# Altium PCB T4F81.PcbDoc (part 2 of 2)
Units mil, origin at the board's own origin, x right, y up, seen from the top; angles counter-clockwise.
Board outline 1574.8 x 2047.24 mil, 4 copper layers (Top Layer, GND, PWR, Bottom Layer), stack 39.337 mil thick; 73 components, 105 nets, 375 pads, 167 vias.
Unrouted connection lines stored in the file: 1.
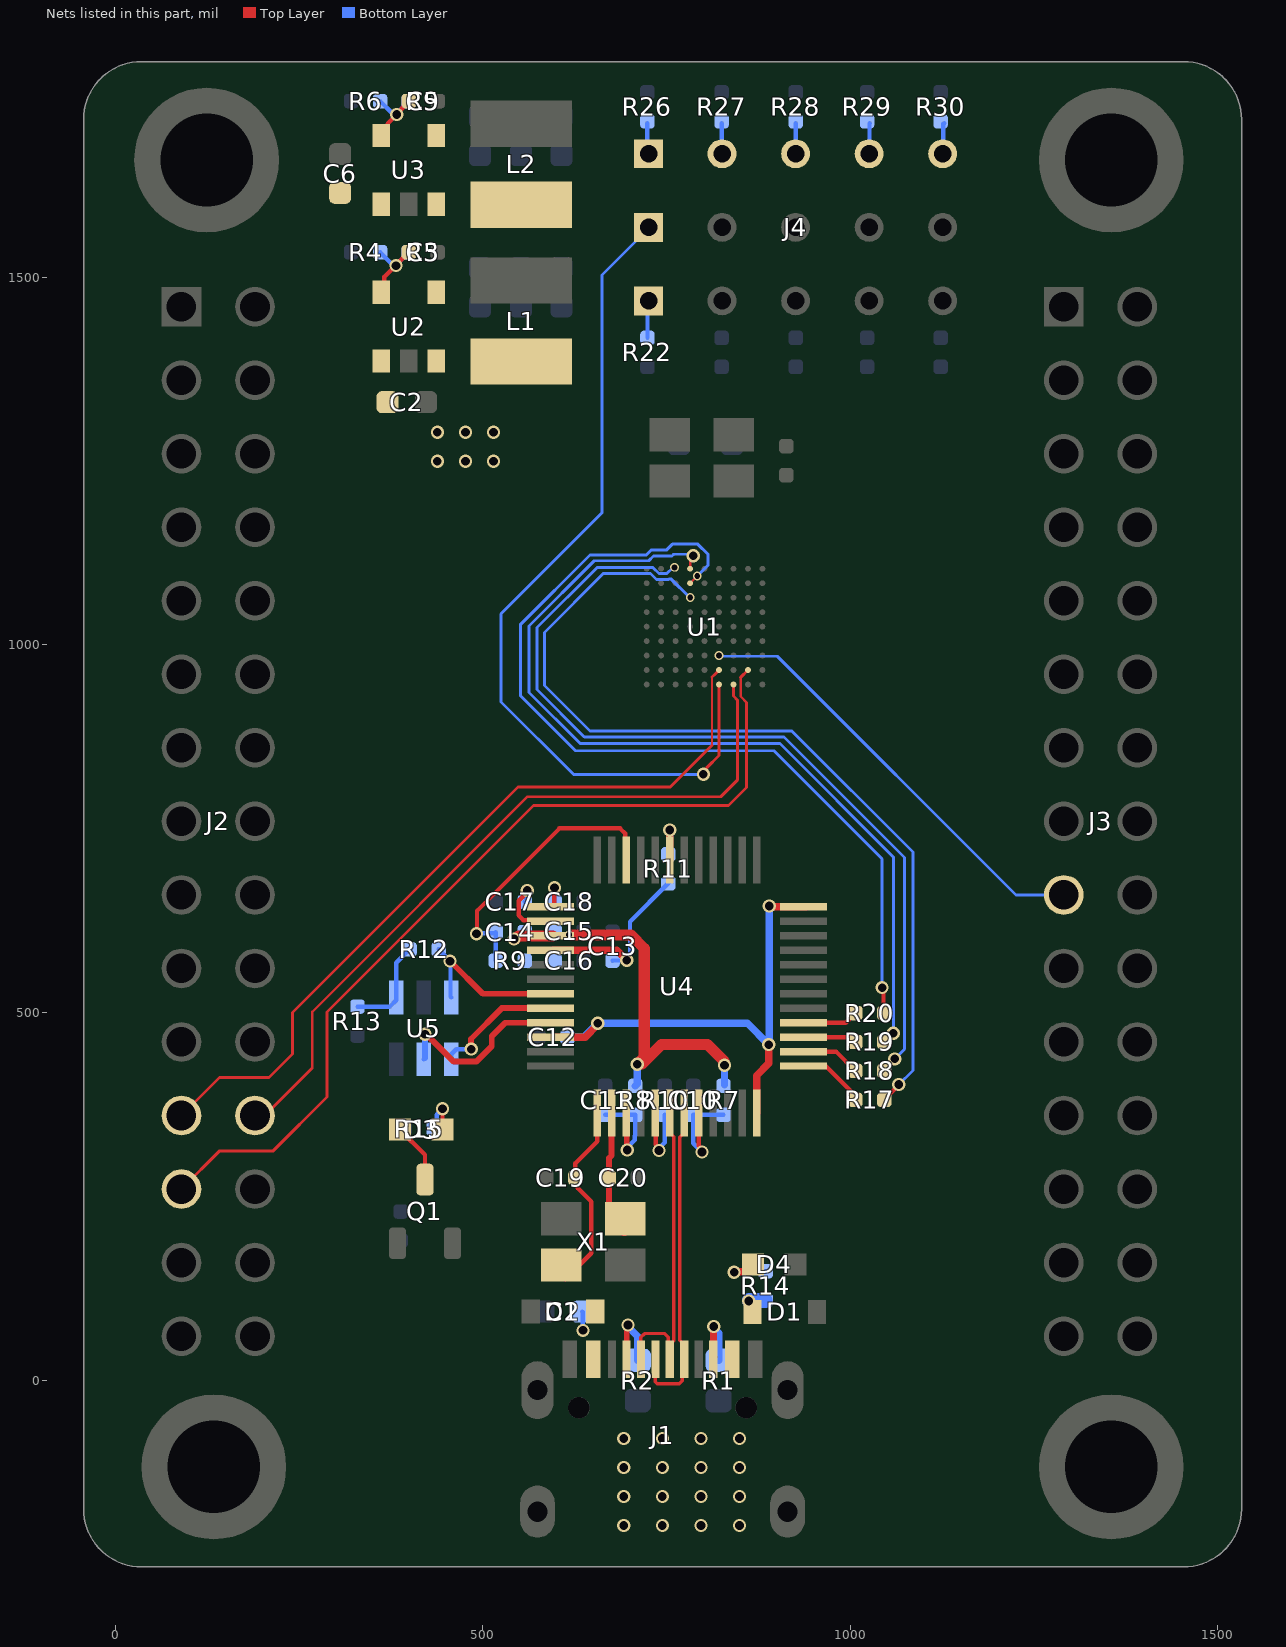
[diagram p4: the nets of this part, all layers, seen from the top]

## Via types
v1: diameter 17.99, hole 11.81, Top Layer to Bottom Layer, tented both sides, 57 vias
v2: diameter 17.99, hole 11.81, Top Layer to Bottom Layer, 54 vias
v3: diameter 11.81, hole 7.87, Top Layer to Bottom Layer, tented both sides, 38 vias
v4: diameter 11.81, hole 7.87, Top Layer to Bottom Layer, 18 vias

## Nets (pads, with @x,y where several pads share a name; then routed paths per layer and width w, separated by ;. In a path a pad name is that pad's centre, name@x,y a point inside that pad or via, vN(x,y) a via of type N, cw(c..) or ccw(c..) an arc to the next point about the centre after c; other vN are vias at no path point) (continued)
GPIOR_32: J2.25 U1.H8 | length 1229.7
  Top Layer w3: 850.87,956.01 850.87,929.88 858.88,921.86
  Top Layer w4: J2.25@90.31,260.03 142.32,312.04 215.15,312.04 288.29,385.18 288.29,500.81 569.09,781.61 834.44,781.61 858.88,806.06 858.88,921.86 ; 850.87,956.01 U1.H8@860.75,965.89
GPIOR_34_CSI: J2.24 U1.J7 | length 1021.7
  Top Layer w3.5: 268.18,500.73 561.05,793.6 823.85,793.6
  Top Layer w4: J2.24@190.31,360.03 203.49,360.03 268.18,424.71 268.18,500.73 ; 823.85,793.6 846.31,816.06 846.31,925.24 841.07,930.48 U1.J7@841.07,946.21
GPIOR_35_CSO: J3.17 U1.G6 | length 603.8
  Bottom Layer w4: v3(821.38,985.58) 822.3,984.66 900.7,984.66 1225.33,660.03 J3.17@1290.31,660.03
GPIOR_36: J2.23 U1.H6 | length 1069.5
  Top Layer w3: 811.75,863.53 811.75,956.26
  Top Layer w4: J2.23@90.31,360.03 142,411.71 209.41,411.71 241.2,443.51 241.2,500.09 548.02,806.9 755.12,806.9 811.75,863.53 ; 811.75,956.26 815.45,959.96 U1.H6@821.38,965.89
GPIOR_37_TEST__N: J4.1 R22.1 | length 51
  Bottom Layer w6: R22.1@724.1,1417.65 724.1,1466.53 J4.1@725.58,1468
GPIOR_37_TEST_N: J4.6 U1.J6 | length 1175.8
  Top Layer w4: v1(800.12,824.29) 800.12,828.08 804.7,832.66 804.7,832.92 821.38,849.6 U1.J6@821.38,946.21
  Bottom Layer w4: J4.6@725.58,1568 707.89,1550.32 707.89,1548.74 662.41,1503.26 662.41,1179.79 524.95,1042.33 524.95,922.44 623.75,823.64 799.46,823.64 v1(800.12,824.29)
NetC5_1: C5.1 R3.2 R4.1 U2.5 | length 122.6
  Top Layer w6: U2.5@361.95,1479.68 366.29,1484.02 366.29,1500.91 C5.1@399.48,1534.1
  Bottom Layer w6: R4.1@360.4,1534.1 376.32,1518.19 382.78,1518.19 383.18,1517.79 R3.2@399.5,1534.1
  other v1: 382.19,1515.89
NetC9_1: C9.1 R5.2 R6.1 U3.5 | length 115.4
  Top Layer w6: U3.5@361.95,1692.83 370.76,1701.64 370.76,1709.05 v1(383.1,1721.4) 383.1,1722.31 399.53,1738.74 C9.1@399.53,1739.65
  Bottom Layer w6: R6.1@360.4,1739.66 376.37,1723.69 381.95,1723.69 382.74,1722.9 R5.2@399.5,1739.66
NetC10_2: C10.2 R7.1 U4.8 | length 151.2
  Top Layer w6: U4.8@793.7,363.44 793.7,318.15 798.18,313.67 v2(798.18,310.42)
  Bottom Layer w6: v2(798.18,310.42) 786.43,322.18 C10.2@786.43,360.85 R7.1@827.49,360.85
NetC11_2: C11.2 R8.1 U4.3 | length 143
  Top Layer w6: v2@695.99,313.85 v2(696.59,313.24) ; U4.3@695.99,360.93 U4.3@697.34,362.29
  Top Layer w8: v2@695.99,313.85 U4.3@695.99,360.93
  Bottom Layer w6: C11.2@666.43,360.85 R8.1@707.49,360.85 707.49,333.45 706.78,332.74 706.78,326.68 696.59,316.49 v2(696.59,313.24)
NetC14_1: C14.1 R9.1 U4.34 | length 384.4
  Top Layer w6: v1@492.23,606.99 492.23,638.32 604.35,750.45 686.81,750.45 693.69,743.57 693.69,709.23 U4.34@695.38,707.54
  Bottom Layer w6: v1@492.23,606.99 493.34,608.1 516.43,608.1 C14.1@517.8,609.48 R9.1@517.8,570.54
  other v1: 491.61,607.32
NetC17_2: C17.2 U4.38 | length 105.4
  Top Layer w6: v1(560.53,666.04) 560.53,663.75 548.94,652.17 548.94,632.16 555.26,625.84 593.77,625.84 U4.38@595.49,624.12
  Bottom Layer w6: C17.2@557.18,650.54 558.85,652.21 558.85,664.36 v1(560.53,666.04)
NetC18_2: C18.2 U4.37 | length 45.9
  Top Layer w6: U4.37@595.49,643.81 595.56,643.81 597.56,645.81 v1(597.56,669.63)
  Bottom Layer w6: v1(597.56,669.63) 597.68,669.51 597.68,650.66 C18.2@597.8,650.54
NetC19_2: C19.2 U4.1 X1.1 | length 262.9
  Top Layer w6: X1.1@611.99,137.06 647.7,172.76 647.7,242.96 629.48,261.18 629.48,268.67 626.72,271.43 626.13,271.43 626.13,295.2 656.01,325.08 U4.1@656.01,363.54
NetC20_2: C20.2 U4.2 X1.3 | length 175.1
  Top Layer w8: U4.2@675.4,363.25 675.4,305.75 671.76,302.11 C20.2@671.76,275.36 671.76,263.55 671.76,219.69 691.4,200.05 X1.3@693.69,200.05
NetD3_A: D3.A R15.1 | length 67.3
  Top Layer w3: D3.A@444.16,341.88 D3.A@445.3,340.74
  Top Layer w6: D3.A@444.16,341.88 445.27,342.98 v2@445.27,372.15
  Bottom Layer w6: R15.1@433.09,342.28 437.48,346.67 437.48,361.12 445.27,368.91 v2@445.27,372.15
  other v2: 445.27,369.15
NetD3_K: D3.K Q1.3 | length 82
  Top Layer w6: D3.K@387.27,340.74 421.52,306.49 Q1.3@421.52,272.89
NetD4_A: D4.A R14.2 | length 73.4
  Top Layer w10: v2(841.89,147.02) 842.51,147.63 857.46,147.63 D4.A@867.46,157.63
  Bottom Layer w6: v2(841.89,147.02) 843.01,148.13 R14.2@884.81,148.15
NetJ1_A5: J1.A5 R2.2 | length 101.7
  Top Layer w6: J1.A5@695.38,28.64 J1.A5@696.45,29.71
  Top Layer w8: J1.A5@695.91,29.17 695.91,73.41 v2(697.52,75.02)
  Bottom Layer w10: v2(697.52,75.02) 697.52,72.86 710.96,59.42 R2.2@710.96,26.92
NetJ1_B5: J1.B5 R1.2 | length 98.9
  Top Layer w6: J1.B5@813.49,28.64 816.01,31.16 J1.B5@814.61,32.55
  Top Layer w10: J1.B5@813.67,28.82 813.82,28.97 813.82,72.67 v2(814.15,73)
  Bottom Layer w10: v2(814.15,73) 814.15,70.84 821.06,63.93 821.06,27.02 R1.2@820.96,26.92
NetJ4_11: J4.11 R26.1 | length 42.2
  Bottom Layer w3: J4.11@723.98,1669.59 J4.11@725.58,1668
  Bottom Layer w6: J4.11@723.98,1669.59 R26.1@723.98,1709.54
NetJ4_12: J4.12 R27.1 | length 41.8
  Bottom Layer w6: R27.1@824.86,1709.54 825.22,1709.18 825.22,1668.36 J4.12@825.58,1668
NetJ4_13: J4.13 R28.1 | length 41.6
  Bottom Layer w6: J4.13@925.58,1668 925.66,1668.08 925.66,1709.46 R28.1@925.74,1709.54
NetJ4_14: J4.14 R29.1 | length 42
  Bottom Layer w6: J4.14@1025.58,1668 1026.09,1668.52 1026.09,1709.02 R29.1@1026.61,1709.54
NetJ4_15: J4.15 R30.1 | length 42.3
  Bottom Layer w6: J4.15@1125.58,1668 1126.53,1668.96 1126.53,1708.58 R30.1@1127.49,1709.54
NetL1_1: L1.1 U2.3
NetL2_1: L2.1 U3.3
NetR10_2: R10.2 U4.5 | length 105
  Top Layer w6: U4.5@734.75,363.54 735.24,363.05 735.24,320.1 739.74,315.6 v2(739.74,312.35)
  Bottom Layer w6: v2(739.74,312.35) 739.74,315.6 747.49,323.35 R10.2@747.49,360.85
NetR12_1: R12.1 R13.2 U5.1 | length 133
  Bottom Layer w6: R13.2@329.71,508.17 373.81,508.17 382.31,516.67 U5.1@382.31,520.48 382.31,567.78 R12.1@400.55,586.01
NetR12_2: R12.2 U4.43 U5.3 | length 230.1
  Top Layer w8: v1@456.25,569.61 500.16,525.7 U4.43@595.49,525.7
  Bottom Layer w6: R12.2@439.92,585.98 456.25,569.65 456.25,521.35 U5.3@457.11,520.48
  other v1: 455.63,569.98
NetU4_44: U4.44 U5.4 | length 179.6
  Top Layer w8: v1(484.33,450.3) 484.12,450.52 484.12,464.21 525.92,506.01 U4.44@595.49,506.01
  Bottom Layer w6: U5.4@457.11,436.48 457.11,443.3 464.11,450.3 v1(484.33,450.3)
NetU4_45: U4.45 U5.5 | length 249.7
  Top Layer w8: v1@421.49,469.76 424.11,469.76 460.57,433.31 491.37,433.31 512.24,454.18 512.24,467.9 530.51,486.17 U4.45@592.13,486.17
  Bottom Layer w6: U5.5@419.71,436.48 U5.5@421.49,438.26
  Bottom Layer w8: U5.5@421.49,438.26 v1@421.49,469.76
  other v1: 421.42,470.65
TCK: R17.2 U4.13 | length 89.7
  Top Layer w6: U4.13@939.49,427.27 966.49,427.27 1001.19,392.57 1001.19,386.94 R17.2@1006.85,381.29
TCK_0: R17.1 U1.C4 | length 1265.9
  Top Layer w3: U1.C4@782.01,1064.32 782.16,1064.32 v3(782.27,1064.43)
  Top Layer w6: R17.1@1046.22,381.29 1046.22,381.92 1065.8,401.5 v1(1065.8,402.14)
  Bottom Layer w4: v3(782.27,1064.43) 781.48,1064.43 756.51,1089.4 753.2,1089.4 752.86,1089.06 736.37,1089.06 728.37,1097.06 663.94,1097.06 583.96,1017.08 583.96,944.76 645.81,882.91 920.39,882.91 1085.08,718.22 1085.08,421.42 v1(1065.8,402.14)
TDI: R18.2 U4.14 | length 78.2
  Top Layer w6: U4.14@939.49,446.96 980.55,446.96 R18.2@1006.85,420.66
TDI_0: R18.1 U1.A3 | length 1208
  Top Layer w6: R18.1@1046.22,420.66 1046.22,421.68 1060.24,435.71 v1@1060.24,436.73
  Bottom Layer w4: v3(760.91,1105.51) 758.79,1105.51 750.35,1097.06 739.68,1097.06 731.68,1105.06 655.39,1105.06 573.91,1023.59 573.91,939.22 638.23,874.91 909.81,874.91 1073.77,710.94 1073.77,450.26 v1@1060.24,436.73
  other v1: 1060.53,437.02
TDO: R19.2 U4.15 | length 70.1
  Top Layer w6: U4.15@939.49,466.64 999.19,466.64 1005.81,460.03 R19.2@1006.85,460.03
TDO_0: R19.1 U1.A4 | length 1219.4
  Top Layer w3.5: U1.A4@782.01,1103.69 782.01,1113.22 786.28,1117.49 v1(786.28,1121.41)
  Top Layer w6: R19.1@1046.22,460.03 1046.44,460.03 1058.27,471.85 v1(1058.5,471.85)
  Bottom Layer w4: v1(786.28,1121.41) 784.32,1123.37 759.9,1123.37 757.4,1120.87 732.2,1120.87 725.82,1114.5 651.63,1114.5 563.05,1025.91 563.05,935.43 632.65,865.82 904.19,865.82 1058.5,711.52 v1(1058.5,471.85)
TMS: R20.2 U4.16 | length 72.8
  Top Layer w6: U4.16@939.49,486.33 993.77,486.33 R20.2@1006.85,499.4
TMS_0: R20.1 U1.B4 | length 1246.6
  Top Layer w3: U1.B4@782.01,1084 U1.B4@782.01,1084 v3(791.66,1093.76) v3(791.66,1093.76)
  Top Layer w6: v1(1043.22,533.96) 1045.06,532.11 1045.06,500.55 R20.1@1046.22,499.4
  Bottom Layer w4: v3(791.66,1093.76) 806.24,1108.34 806.24,1123.37 792.55,1137.06 757.88,1137.06 749.69,1128.87 728.88,1128.87 722.51,1122.5 645.96,1122.5 551.7,1028.24 551.7,930.61 626.22,856.09 896.3,856.09 1043.22,709.18 v1(1043.22,533.96)
USB_N: J1.A7 J1.B7 U4.6 | length 441.2
  Top Layer w4.62: J1.B7@715.06,28.65 715.06,58.52 720.07,63.53 747.32,63.53 752.49,58.36 752.49,48.72 752.49,30.59 J1.A7@754.43,28.65 754.43,30.59 754.43,48.72 759.6,53.89 759.6,331.37 754.44,336.54 U4.6@754.44,363.54
USB_P: J1.A6 J1.B6 U4.7 | length 440.2
  Top Layer w4.62: J1.A6@734.75,28.64 734.75,-1.91 737.46,-4.61 767.51,-4.61 771.61,-0.51 771.61,26.13 J1.B6@774.12,28.64 774.12,48.72 768.22,54.62 768.22,330.64 774.12,336.54 U4.7@774.12,363.54
VBUS: C1.1 C2.2 C6.2 C13.2 D1.2 D2.2 J1.A4 J1.A9 R11.1 R14.1 U2.1 U2.4 U3.1 U3.4 U4.40 | length 303.3
  Top Layer w10: U4.40@595.49,584.75 682.31,584.75 v2(696,571.05)
  Bottom Layer w6: C1.1@635.42,93.29 635.88,92.83 635.88,68.26 v2(636.34,67.79) ; C13.2@676.56,570.55 676.81,570.8 695.75,570.8 v2(696,571.05) 696,574.3 700.34,578.64 700.34,623.71 R11.1@752.49,675.85 ; v2(861.86,107.84) v2@862.33,108.31 ; R14.1@884.34,108.31 R14.1@884.81,108.78
  Bottom Layer w20: v2@862.33,108.31 R14.1@884.34,108.31
  other v1: 438.4,1249.8 476.56,1249.8 514.72,1249.8 438.4,1289.17 476.56,1289.17 514.72,1289.17
  other v2: 691.89,-197.45 744.38,-197.45 796.87,-197.45 849.37,-197.45 691.89,-158.08 744.38,-158.08 796.87,-158.08 849.37,-158.08 691.89,-118.71 744.38,-118.71 796.87,-118.71 849.37,-118.71 691.89,-79.34 744.38,-79.34 796.87,-79.34 849.37,-79.34
VBUSDTCT: R11.2 U4.31 | length 74.8
  Top Layer w10: v2(754.25,748.44) 754.44,748.25 U4.31@754.44,707.69
  Bottom Layer w6: R11.2@752.49,715.22 753.37,716.1 753.37,747.56 v2(754.25,748.44)
VCCD: C14.2 C15.2 C16.2 R7.2 R8.2 R9.2 U4.39 | length 524.1
  Top Layer w15: v2(542.59,600.18) 544.75,600.18 549.01,604.44 U4.39@595.49,604.44 ; U4.39@619.99,605.31 701.4,605.31 719.7,587.01 719.7,506.58 719.69,439.97 710.17,430.45 v2(710.17,429.69) ; v2@711.55,429.69 711.55,430.26 716.95,430.26 743.26,456.57 805.81,456.57 828.26,434.12 828.26,428.92 v2(828.83,428.35)
  Bottom Layer w10: R8.2@707.49,400.22 710.17,402.9 v2(710.17,429.69) ; R7.2@828.83,401.56 v2(828.83,428.35)
  other v4: 617.28,605.82
VIO: C12.2 U4.12 U4.24 U4.46 | length 701
  Top Layer w10: U4.46@595.49,466.64 639.28,466.64 656.41,483.78 v2(656.41,485.41) ; U4.12@872.55,363.27 872.55,414.38 889.12,430.96 v2(889.12,456.44) ; v1(889.75,645.07) 891.01,643.81 U4.24@936.28,643.81 U4.24@940.12,643.81
  Bottom Layer w10: C12.2@615.18,466.64 637.64,466.64 v2(656.41,485.41) 860.15,485.41 v2(889.12,456.44) ; v2@889.75,458.38 v1(889.75,645.07)
pads on no net: J1. J1.A8 J1.B8 U4.17 U4.18 U4.19 U4.20 U4.21 U4.25 U4.26 U4.27 U4.28 U4.29 U4.30 U4.32 U4.33

## Polygon pours and split planes (outlines as drawn)
GND on Top Layer "NONET_L-01_P-001" (solid, remove dead copper, pour order 26): 35.89,-256.38 cw(c35.93,-175.13) -45.32,-175.13 -45.32,1714.64 -45.32,1714.69 cw(c35.93,1714.64) 35.89,1795.89 35.93,1795.89 1453.26,1795.89 cw(c1453.26,1714.64) 1534.51,1714.64 1534.51,-175.13 cw(c1453.26,-175.13) 1453.31,-256.38 1453.26,-256.38
VBUS on Top Layer "NONET_L-01_P-001" (solid, pour order 11): 640.26,54.23 616.68,77.81 616.68,103.37 623.4,110.09 665.46,110.09 671.18,104.37 671.18,63.27 666.18,58.27 666.18,-0.91 691.52,-26.25 807.28,-26.25 829.24,-4.67 829.24,88.39 861.13,120.28 898.17,120.28 901.41,117.04 901.41,80.04 898.28,76.92 864.05,76.92 853.24,66.11 853.24,-15.98 837.93,-31.29 837.93,-49.56 871.11,-82.74 871.11,-212 862.03,-221.07 664.66,-221.07 655.86,-212.28 655.86,-25.33 640.26,-9.73
NetL1_1 on Top Layer "NONET_L-01_P-001" (solid, pour order 1): 425,1370.05 430.15,1364.9 456.31,1364.9 487.16,1334.04 524.78,1334.04 617.08,1334.04 631.14,1348.11 631.14,1407.02 621.31,1416.86 434.81,1416.86 425,1407.05
1V1 on Top Layer "NONET_L-01_P-001" (solid, pour order 8): 629.9,1677.25 634.94,1682.29 634.94,1753.2 630.84,1757.29 485.08,1757.29 477.28,1749.49 431.14,1749.49 429.06,1747.41 429.06,1731.1 430.54,1729.62 468.33,1729.62 477.66,1720.29 477.66,1681.18 481.59,1677.25
3V3 on Top Layer "NONET_L-01_P-001" (solid, pour order 6): 477.66,1521.25 474.65,1524.26 430.17,1524.26 429.01,1525.42 429.01,1541.61 431.35,1543.96 500.37,1543.96 530.89,1543.96 631.03,1543.96 634.94,1540.05 634.94,1462.61 633.44,1464.1 483.51,1464.1 477.66,1469.95
VBUS on Top Layer "NONET_L-01_P-001" (solid, pour order 0): 342.06,1454.8 399.2,1454.8 416.61,1472.21 416.61,1494.61 421.79,1499.8 444.2,1499.8 448.57,1495.43 448.57,1433.43 444.52,1429.38 388,1429.38 373.82,1415.2 373.82,1361.09 396.61,1338.3 396.61,1317.57 413.95,1300.23 521.49,1300.23 534.41,1287.32 534.41,1242.41 531.55,1239.56 428.14,1239.56 277.16,1390.54 277.16,1629.28 289.01,1641.13 346.88,1641.13 422.93,1717.18 465.93,1717.18 469.91,1713.2 469.91,1656.55 454.49,1641.13 402.9,1641.13 373.82,1612.05 373.82,1583.67 323.52,1533.38 323.52,1473.34
NetL2_1 on Top Layer "NONET_L-01_P-001" (solid, pour order 2): 425,1625.16 425,1558.97 429.78,1554.19 624.08,1554.19 631.14,1561.26 631.14,1620.17 621.31,1630.01 429.85,1630.01
GND on Bottom Layer "NONET_L-01_P-001" (solid, remove dead copper, pour order 27): 35.89,-256.38 cw(c35.93,-175.13) -45.32,-175.13 -45.32,1714.64 -45.32,1714.69 cw(c35.93,1714.64) 35.89,1795.89 35.93,1795.89 1453.26,1795.89 cw(c1453.26,1714.64) 1534.51,1714.64 1534.51,-175.13 cw(c1453.26,-175.13) 1453.31,-256.38 1453.26,-256.38
3V3 on Bottom Layer "NONET_L-01_P-001" (solid, pour order 12): 1130.99,1388.12 1134.61,1384.5 1134.61,1350.63 1131.29,1347.31 718.06,1347.31 711.35,1354.02 711.35,1382.86 716.6,1388.12
VCCD on Bottom Layer "NONET_L-01_P-001" (solid, pour order 9): 615.05,629.12 623.45,620.72 623.45,566.84 617.31,560.7 544.15,560.7 540.62,564.23 540.62,625.06 544.68,629.12
3V3 on Bottom Layer "NONET_L-01_P-001" (solid, pour order 5): 476.01,1509.94 476.01,1484.35 479.47,1480.89 626.28,1480.89 632.17,1486.77 632.17,1541.76 628.26,1545.67 427.99,1545.67 426.29,1543.96 426.29,1519.66 427.58,1518.37 467.58,1518.37
1V1 on Bottom Layer "NONET_L-01_P-001" (solid, pour order 3): 478.78,1721.38 478.78,1695.79 482.24,1692.33 629.05,1692.33 634.94,1698.21 634.94,1753.2 631.03,1757.11 430.76,1757.11 429.06,1755.4 429.06,1731.1 430.35,1729.81 470.35,1729.81
3V3 on PWR "NONET_L-01_P-001" (solid, remove dead copper, pour order 28): 35.89,-256.38 cw(c35.93,-175.13) -45.32,-175.13 -45.32,1714.64 -45.32,1714.69 cw(c35.93,1714.64) 35.89,1795.89 35.93,1795.89 1453.26,1795.89 cw(c1453.26,1714.64) 1534.51,1714.64 1534.51,-175.13 cw(c1453.26,-175.13) 1453.31,-256.38 1453.26,-256.38
1V1 on PWR "NONET_L-01_P-001" (solid, pour order 23): 469.91,1503.7 669.9,1303.71 723.01,1250.6 723.01,1123.42 703.27,1103.69 703.27,1073.73 716.93,1060.08 786.25,1060.08 871.35,974.98 974.62,974.98 987.87,961.73 987.87,937.46 966.73,916.31 768.6,916.31 702.06,982.85 702.06,1014.3 637.39,1078.96 637.39,1252.64 415.26,1474.78 415.26,1701.28 471.27,1757.29 630.84,1757.29 634.94,1753.2 634.94,1735.62 630.71,1731.4 494.19,1731.4 469.91,1707.12
VBUS on PWR "NONET_L-01_P-001" (solid, pour order 16): 424.23,1293.4 411.16,1280.33 411.16,888.81 490.43,809.53 619.42,680.54 653.53,646.43 653.53,584.75 629.16,560.38 629.16,112.64 622.61,106.1 622.61,71.88 655.86,38.63 655.86,-212.28 664.66,-221.07 862.03,-221.07 871.11,-212 871.11,-82.74 837.93,-49.56 837.93,51.82 883.7,97.59 883.7,113.98 868.45,129.23 815.95,129.23 743.36,201.81 743.36,736.52 541.4,938.48 541.4,1265.51 513.5,1293.4
GND on GND "NONET_L-01_P-001" (solid, remove dead copper, pour order 25): 35.89,-256.38 cw(c35.93,-175.13) -45.32,-175.13 -45.32,1714.64 -45.32,1714.69 cw(c35.93,1714.64) 35.89,1795.89 35.93,1795.89 1453.26,1795.89 cw(c1453.26,1714.64) 1534.51,1714.64 1534.51,-175.13 cw(c1453.26,-175.13) 1453.31,-256.38 1453.26,-256.38

## Other copper
Top Layer:
  pour cut-out: 1063.04,299.05 1063.04,295.3 1097.06,261.28 1110.66,274.89 1110.66,285.9 1086.69,309.86
  pour cut-out: 685.78,280.29 679.92,274.42 679.92,243.37 685.78,249.23
  pour cut-out: 732.38,301.33 733.38,300.33 753.17,300.33 753.17,278.76 753.55,278.38
  pour cut-out: 703.95,302.23 686.62,302.23 685.85,303 680.16,297.3 680.16,285.9 685.78,280.29
  pour cut-out: 628.28,534.63 667.97,493.31 651.99,477.33 628.28,477.33
  pour cut-out: 665.24,588.84 708.3,545.78 708.3,532.8
  pour cut-out: 556.28,575.75 548.64,575.75 537.21,587.18 555.23,587.18 556.28,588.23
  pour cut-out: 556.28,575.75 548.64,575.75
  pour cut-out: 535.23,611.2 535.23,648.55 543.9,657.22 548.34,652.77 548.34,616.03
  pour cut-out: 406.27,359.74 437.48,359.74 437.48,322.08 437.38,321.98 433.44,325.91 402.1,325.91
  pour cut-out: 993.75,363.27 1050.91,363.27 1057.57,369.94 1000.42,369.94
  pour cut-out: 972.28,593.75 972.21,593.68 972.21,546.88 1040.46,546.88
  pour cut-out: 810.29,467.4 737.99,467.4 736.42,465.83 734.38,467.86 731.42,467.86 731.42,545.22 731.6,545.4
  pour cut-out: 556.28,457.64 556.28,475.64 553.9,478.02 533.89,478.02 520.36,464.48 520.36,457.13
  pour cut-out: 313.57,362.19 341.5,390.12 341.5,522.94 315.47,496.92 315.47,496.54
  pour cut-out: 727.97,1229.45 723.13,1249.22 704.41,1229.45 707.93,1222.96
  pour cut-out: 748.1,1196.3 727.96,1216.45 702.35,1216.45 742.54,1176.26 754.59,1176.26
  pour cut-out: 681.41,1153.38 702.53,1153.38 719.02,1136.89 719.02,1111.65 677.66,1153.01
  pour cut-out: 1056.21,536.54 1069.51,523.24 1069.51,479.21 1073.16,475.57 1073.16,385.52 1057.57,369.94 1052.2,375.31 1052.2,524.56
  pour cut-out: 1044.23,546.88 1037.92,535.59 1037.92,512.83 1037.81,512.72 979.57,512.72 972.21,520.08 972.21,546.88
  pour cut-out: 830.99,1161.19 803.01,1133.22 754.03,1133.22 761.09,1140.27 761.09,1196.3 786.06,1196.3 794.46,1159.81 821.86,1156.66
  pour cut-out: 1321.28,355.95 1321.28,360.28 1415.09,454.09 1415.09,490.39 1310.11,385.41
  pour cut-out: 1272.34,385.41 1310.11,385.41 1415.09,490.39 1415.09,541.01 1373.51,541.01 1257.08,424.58 1257.08,391.48
  pour cut-out: 1227.33,856.13 1227.33,613.82 1281.91,559.24 1281.91,416.31 1257.08,391.48 1217.32,431.24 1217.32,802.58 1216.6,803.3
  pour cut-out: 872.78,1240.11 872.78,1259.29 891.97,1240.11
  pour cut-out: 1294.39,1391 1386.23,1391 1359.76,1364.52 1359.76,1341.01 1320.09,1341.01
  pour cut-out: 1415.88,1000.79 1415.88,1228.69 1409.33,1235.25 1415.09,1241.01 1415.09,1341.01 1277.06,1341.01 1269.58,1333.53 1269.58,1008.37
  pour cut-out: 1419.17,671.98 1421.28,674.09 1421.28,755.95 1369.33,755.95 1361.45,748.08 1365.17,744.36 1365.17,685.17
  pour cut-out: 1309.33,684.81 1371.3,684.81 1378.36,677.75 1378.36,610.61 1289.44,610.61
  pour cut-out: 1415.09,579.04 1419.17,583.12 1419.17,648.08 1405.25,648.08 1380.76,623.58 1380.76,589.08
  pour cut-out: 1119.09,261.28 1169.02,261.28 1140.95,289.35 1140.95,292.34 1129.68,281.07
  pour cut-out: 1294.39,529.06 1394.39,529.06 1394.39,582.92 1386.31,591 1294.39,591
  pour cut-out: 1419.17,171.98 1419.17,253.84 1419.17,287 1359.34,287 1359.34,176.92 1365.55,170.72
  pour cut-out: 1302.26,131.17 1304.37,129.06 1386.23,129.06 1386.23,164.11 1361.45,188.89 1302.26,188.89
  pour cut-out: 1037.81,512.72 1037.81,372.89 1037.82,372.89 1034.86,369.94 1018.2,369.94 1018.2,509.77 1015.25,512.72
  pour cut-out: 881.72,410.58 887.59,416.45 977.31,416.45 977.31,389.09 998.44,367.96 993.75,363.27 881.72,363.27
  pour cut-out: 803.31,58.27 779.69,58.27 779.66,58.24 776.12,61.77 774.66,61.77 774.66,134.9 814.61,134.9 841.59,107.93 820.81,87.15 809.92,87.15 803.13,80.36
  pour cut-out: 667.35,113.63 746.81,113.63 752.8,119.63 753.17,119.25 753.17,73.22 682.19,73.22 675.5,79.9 675.5,104.37
  pour cut-out: 725.75,327.54 728.1,327.54 728.1,319.08 728.35,318.83 726.74,317.22 726.74,309.77
  pour cut-out: 774.66,324 768.22,317.57 768.22,296.16 802.3,296.16 809.2,303.06 809.2,317.78 807.62,317.78 797.92,327.49 783.17,327.49
  pour cut-out: 676.09,197.1 676.09,191.05 650.38,165.35 650.38,238.51 654.83,242.96 655.43,242.37 666.13,242.37 666.13,197.1 662.13,193.1
  pour cut-out: 879.95,805.11 879.95,929.67 883.1,926.52 899.36,926.52 899.36,917.34 1049.68,767.02 844.55,767.02
  pour cut-out: 705.89,616.14 629.17,616.14 628.28,617.03 609.8,675.82
  pour cut-out: 628.28,652.81 608.58,672.51 608.58,662.27 604.69,658.39 604.69,652.81
  pour cut-out: 563.11,679.03 588.58,679.03 584.56,675.01 584.56,667.05 577.11,667.05 573.52,663.45
  pour cut-out: 442.63,572.57 429.71,559.64 429.71,497.32 414.06,481.67 424.74,470.99 439.65,470.99 468.78,441.86 519.77,492.85 519.77,517.54 496.78,517.54 457.34,556.98
  pour cut-out: 926.93,1226.01 924.53,1223.6 924.53,1212.96 922.55,1214.94
  pour cut-out: 872.78,1196.3 903.91,1196.3 904.17,1196.56 896.55,1204.18 896.55,1220.39 874.14,1220.39 872.78,1221.76
  pour cut-out: 359.16,1499.43 359.16,1516.48 385.47,1542.79 385.47,1530.18 378.1,1530.18 361.25,1513.33 361.25,1505.96
  pour cut-out: 421.4,1567.7 421.4,1556.45 426.3,1551.55 421.92,1547.18 421.92,1545.45 409.86,1545.45 407.89,1547.43
  pour cut-out: 346.14,1673.08 366.18,1673.08 366.18,1670.37 368.09,1668.46 345.09,1645.46
  pour cut-out: 404.69,1636.8 423.73,1636.8 423.73,1630.01 420.67,1626.95 420.67,1625.16 389.8,1625.16 388.36,1626.59
  pour cut-out: 483.51,1630.01 483.51,1658.41 492.3,1667.2 486.58,1672.92 479.84,1672.92 479.51,1673.25 473.67,1667.41 473.67,1632.92
  pour cut-out: 93.94,229.74 176.81,229.74 158.47,248.08 119.17,248.08
  pour cut-out: 59.34,555.95 63.34,551.95 63.34,260.03 117.2,260.03 121.28,255.95 121.28,564.11
  pour cut-out: 59.34,655.95 59.34,564.11 85.26,590.02 98.03,590.02 98.03,622.83 102.26,627.06 100.27,629.06 77.48,629.06 65.53,641.01
  pour cut-out: 111.31,582.82 102.26,591.87 102.26,631.17 119.17,648.08 143.6,623.64 143.6,617.5
  pour cut-out: 119.17,648.08 151.47,648.08 171.3,667.9 171.3,684.81 124.28,684.81 116.34,676.88
  pour cut-out: 61.45,671.98 61.45,748.08 96.5,748.08 109.33,735.25 107.16,733.08 107.16,686.06
  pour cut-out: 107.16,686.06 137.31,716.21 146.49,716.21 146.49,743.38 141.8,748.08 113.4,748.08 94.39,729.06
  pour cut-out: 109.33,735.25 122.15,748.08 161.45,748.08 161.45,793.84 168.14,800.52 139.98,800.52 139.98,792.8 119.17,771.98
  pour cut-out: 115.09,841.01 144.4,841.01 171.3,867.9 171.3,884.81 124.05,884.81 123.7,885.16
  pour cut-out: 207.16,886.06 292.8,971.7 282.48,971.7 275.11,979.08 205.34,909.32 202.65,909.32
  pour cut-out: 59.34,964.11 59.34,860.03 119.28,860.03 119.28,962.11 121.28,964.11
  pour cut-out: 61.45,1048.08 59.34,1045.96 59.34,964.11 121.28,964.11 118.72,966.66 118.72,1031.62
  pour cut-out: 61.45,1148.08 61.45,1071.98 119.17,1071.98 119.17,1136.94 115.09,1141.01
  pour cut-out: 59.34,1255.95 59.34,1164.11 112.07,1164.11 125.99,1178.02 125.99,1258.32
  pour cut-out: 407.93,1752.98 408.78,1753.82 431.14,1753.82 425.99,1748.68 425.99,1728.04 411.14,1728.04 410.88,1728.3
  pour cut-out: 483.51,1459.77 473.67,1449.93 473.67,1421.47 462.59,1421.47 462.31,1421.19 452.9,1430.6 452.9,1449.52 473.33,1469.95
  pour cut-out: 388.13,1545.45 427.78,1545.45 425.95,1543.63 425.95,1522.36 411.22,1522.36 410.84,1522.75
  pour cut-out: 346.14,1499.43 327.46,1499.43 327.85,1499.03 327.85,1475.13 334.93,1475.13 346.14,1463.92
  pour cut-out: 872.78,1259.29 855.5,1259.29 855.5,1249.58 872.78,1249.58
  pour cut-out: 809.67,1259.29 809.67,1249.58 826.95,1249.58 826.95,1259.29
  pour cut-out: 462.41,1421.06 448.4,1421.06 447.05,1422.41 447.05,1427.58 452.9,1433.43
  pour cut-out: 420.67,1407.05 431.75,1418.13 431.75,1424.35 430.74,1425.36 419.89,1425.36
PWR:
  pour cut-out: 745.96,1168.32 730.51,1168.32 727.05,1171.78 727.05,1200.3
  pour cut-out: 922.99,974.98 877.69,974.98 872.68,979.99 872.68,1008.18
  pour cut-out: 849.17,1031.69 872.68,1008.18 872.68,979.99 870.67,979.99 851.96,998.7 851.96,1017.68
  pour cut-out: 799.73,975.67 870.66,975.67 849.64,996.69 830.61,996.69 829.92,996.01
  pour cut-out: 780.04,995.36 780.04,993.22 793.3,979.97 794.79,981.46 794.79,995.46 793.26,996.99
  pour cut-out: 772.11,1026.92 772.11,1003.29 773.61,1004.8 773.61,1019.34
  pour cut-out: 830.11,1069.01 830.11,1044.68 841.59,1033.2 837,1028.6 834.04,1028.6 827.2,1035.44
  pour cut-out: 776.66,1072.83 780.78,1076.94 818.23,1076.94 818.23,1069.01 813.29,1073.95 771.96,1073.95
  pour cut-out: 749.62,1164.66 744.61,1159.66 744.61,1062.5 735.49,1062.5 721.25,1076.74 722.96,1078.45 722.96,1138.47 728.76,1144.27
  pour cut-out: 762.46,1052.49 764.49,1054.52 784.24,1054.52 784.24,1054.15 802.16,1036.23 807.31,1036.23 812.98,1030.56 812.98,1019.34 791.2,1019.34 788.92,1017.05 790.4,1015.58 790.4,1013.65 812.83,1013.65 812.95,1013.53 814.48,1015.06 814.48,1031.85 808.7,1037.63 805.91,1037.63 789.09,1054.45 789.09,1057.24 776.19,1057.24 773.35,1060.08 764.9,1060.08
Bottom Layer:
  pour cut-out: 791.35,374.87 793.12,374.87 800,367.99 801.27,369.26 814.17,369.26 814.17,380.54
  pour cut-out: 671.35,374.87 676.96,369.26 694.17,369.26 694.17,380.54
  pour cut-out: 343.04,499.76 367.04,499.76 368.31,501.03 368.31,493.48 339.47,493.48 338.11,494.84
  pour cut-out: 331.65,423.75 342.06,434.16 348.91,427.31 368.31,427.31 368.31,400.55 384.55,384.31 382.37,382.14 382.37,353.63 352.95,353.63 350.59,351.27 348.41,353.45 331.65,352.27
  pour cut-out: 343.73,467.76 363.31,448.18 365.38,450.25 368.31,450.25 368.31,463.48 349.67,482.12 338.11,482.12
  pour cut-out: 820.69,1208.55 828.29,1200.94 828.29,1179.3 792.55,1143.56 757.88,1143.56
  pour cut-out: 1353.32,658.99 1356.36,655.95 1359.34,655.95 1359.34,671.94 1364.28,676.88 1357.94,683.22 1355.23,683.22 1353.32,681.31
  pour cut-out: 1353.32,658.99 1353.32,774.84 1353.32,822.51 1246.11,851.65 1210.73,851.65 1208.84,853.53 1191.51,836.2 1191.51,661.08
  pour cut-out: 1073.16,391.12 1154.55,391.12 1223.46,460.03 1203.6,460.03 1126.13,537.5 1094.1,537.5 1094.1,423.95 1091.58,421.42
  pour cut-out: 1048.08,408.97 1070.65,408.97 1070.65,435.62 1048.08,435.62
  pour cut-out: 1045.75,445.27 1068.32,445.27 1068.32,471.92 1045.75,471.92
  pour cut-out: 755.89,347.53 778.46,347.53 778.46,374.18 755.89,374.18
  pour cut-out: 814.17,391.82 814.17,369.26 840.81,369.26 840.81,391.82
  pour cut-out: 694.17,391.82 694.17,369.26 720.81,369.26 720.81,391.82
  pour cut-out: 489.02,594.32 494.33,599.63 512.88,599.63 512.88,591.82 517.8,586.9 506.36,575.46 503.79,575.46
  pour cut-out: 405.47,600.03 435,600.03 435,572 405.47,572
  pour cut-out: 559.4,682.75 559.52,682.63 609.61,682.63 617.48,674.76 617.48,634.18 543.61,634.18 541.61,632.18 541.61,675.06 549.3,682.75
  pour cut-out: 739.17,762.99 739.17,663.03 765.81,663.03 765.81,762.99
  pour cut-out: 896.55,1230.93 1177.88,1230.93 1138.05,1191.1 938.42,1191.1 924.53,1204.99
  pour cut-out: 792.55,1143.56 793.82,1144.83 840.79,1144.83 840.79,1163.02 829.84,1173.97 829.84,1201.65
  pour cut-out: 792.55,1143.56 837.73,1143.56 849.97,1131.32 849.97,1123.37 815.19,1123.37 811.32,1119.5
  pour cut-out: 750.22,994.9 756.83,1001.5 756.83,1008.73 769.75,1008.73 772.11,1006.37 769.15,1003.41 769.15,997.58 765.68,997.58 761.61,993.51
  pour cut-out: 1138.99,1447.92 1134.5,1447.92 1131.32,1444.75 1131.32,1430.85 1136.12,1426.05
  pour cut-out: 1112.16,1447.92 1114.19,1445.9 1117.05,1445.9 1117.05,1431.5 1114.55,1429 1111.44,1429
  pour cut-out: 1038.99,1447.92 1035.82,1444.75 1031.32,1444.75 1031.32,1430.85 1036.12,1426.05
  pour cut-out: 1012.16,1447.92 1015.02,1447.92 1017.05,1445.9 1016.99,1445.83 1016.99,1430.42 1014.11,1430.42 1012.28,1428.59
  pour cut-out: 938.99,1447.92 936.91,1445.84 933.97,1445.84 933.97,1431.17 939.1,1426.05
  pour cut-out: 912.16,1447.92 916.58,1447.92 919.7,1444.8 919.7,1431.44 917.84,1431.44 912.16,1425.76
  pour cut-out: 838.99,1447.92 836.5,1445.43 832.98,1445.43 832.98,1431.3 838.61,1425.66 838.61,1424.78
  pour cut-out: 812.16,1447.92 814.87,1445.21 818.7,1445.21 818.7,1434.16 813.55,1429
  pour cut-out: 749.26,1444.32 731.24,1444.32 732.5,1443.05 732.5,1430.97 737.43,1426.05
  pour cut-out: 701.89,1444.32 716.97,1444.32 716.97,1432.24 710.78,1426.05
  pour cut-out: 930.29,1591.69 1135.39,1591.69 1188.56,1538.51 964.25,1538.51 946.4,1556.37
  pour cut-out: 1136.27,1703.73 1131.17,1698.62 1130.44,1698.62 1130.44,1690.81 1133.19,1688.06 1137.08,1688.06
  pour cut-out: 1110.14,1704.45 1115.24,1699.34 1115.97,1699.34 1115.97,1691.53 1113.22,1688.78 1109.33,1688.78
  pour cut-out: 1036.61,1704.15 1031.5,1699.05 1030.78,1699.05 1030.78,1691.23 1033.53,1688.48 1037.42,1688.48
  pour cut-out: 1008.36,1702.96 1013.46,1697.86 1014.19,1697.86 1014.19,1690.04 1011.44,1687.29 1007.55,1687.29
  pour cut-out: 911.5,1707.84 916.61,1702.74 917.33,1702.74 917.33,1694.92 914.58,1692.17 910.7,1692.17
  pour cut-out: 938.62,1699.66 933.52,1694.56 932.79,1694.56 932.79,1686.74 935.54,1683.99 939.43,1683.99
  pour cut-out: 838.19,1703.75 833.08,1698.65 832.36,1698.65 832.36,1690.83 835.11,1688.08 838.99,1688.08
  pour cut-out: 810.84,1707.23 810.84,1705.74 818.08,1698.5 818.08,1690.53 814.68,1690.53 811.11,1686.96
  pour cut-out: 737.39,1703.75 749.26,1691.88 749.26,1691.69 731.12,1691.69 727.01,1695.8 723.98,1695.8
  pour cut-out: 712.71,1700.8 711.01,1700.8 701.89,1691.69 716.85,1691.69 716.85,1698.59
  pour cut-out: 749.26,1591.69 820.87,1591.69 820.87,1569.95 795.23,1544.32 749.26,1544.32
  pour cut-out: 407.9,1752.98 423.49,1752.98 429.06,1747.41 429.06,1727.2 409.56,1727.2
  pour cut-out: 365.32,1753.67 366.01,1752.98 391.1,1752.98 391.1,1741.35 385.48,1735.73 384.42,1736.8 374.42,1736.8
  pour cut-out: 404.42,1548.12 424.32,1548.12 423.22,1547.02 423.22,1516.6 397.07,1516.6 395.19,1518.48
  pour cut-out: 368.8,1547.43 391.1,1547.43 391.1,1535.79 385.48,1530.18 383.81,1531.85 374.42,1531.85
  pour cut-out: 855.81,960.95 855.81,947.21 850.87,942.27 844.37,948.76 808.24,948.76 808.24,952.75 818.41,962.92
  pour cut-out: 811.6,1026.92 815.81,1022.71 837.66,1022.71 837.66,1012.73 836.9,1011.97 833.76,1015.1 807.86,1015.1

## Silkscreen, mask and mechanical layers (free items; w line width, h text height)
Bottom Overlay:
  circle w15: c1354.83,1659.49 r108.27
  circle w15: c124.52,1659.2 r108.27
  circle w15: c134.36,-117.89 r108.27
  circle w15: c1354.83,-117.89 r108.27
Mechanical 1:
  lines w1: -42.81,1714.64 cw(c35.93,1714.64) 35.93,1793.38
  lines w5: -42.81,-175.13 ccw(c35.93,-175.13) 35.93,-253.87 1453.26,-253.87 ccw(c1453.26,-175.13) 1532,-175.13 1532,1714.64 ccw(c1453.26,1714.64) 1453.26,1793.38 35.93,1793.38 ccw(c35.93,1714.64) -42.81,1714.64 -42.81,-175.13
Top 3D Body:
  lines w1: 35.93,-253.87 1453.26,-253.87 ; 35.93,1793.38 1453.26,1793.38 ; 1532,-175.13 1532,1714.64